# Altium PCB ControlBoard.PcbDoc (part 2 of 2)
Units mm, origin at the board's own origin, x right, y up, seen from the top; angles counter-clockwise.
Board outline 111.33 x 150.7 mm, 2 copper layers (Top Layer, Bottom Layer); 147 components, 78 nets, 422 pads, 115 vias.
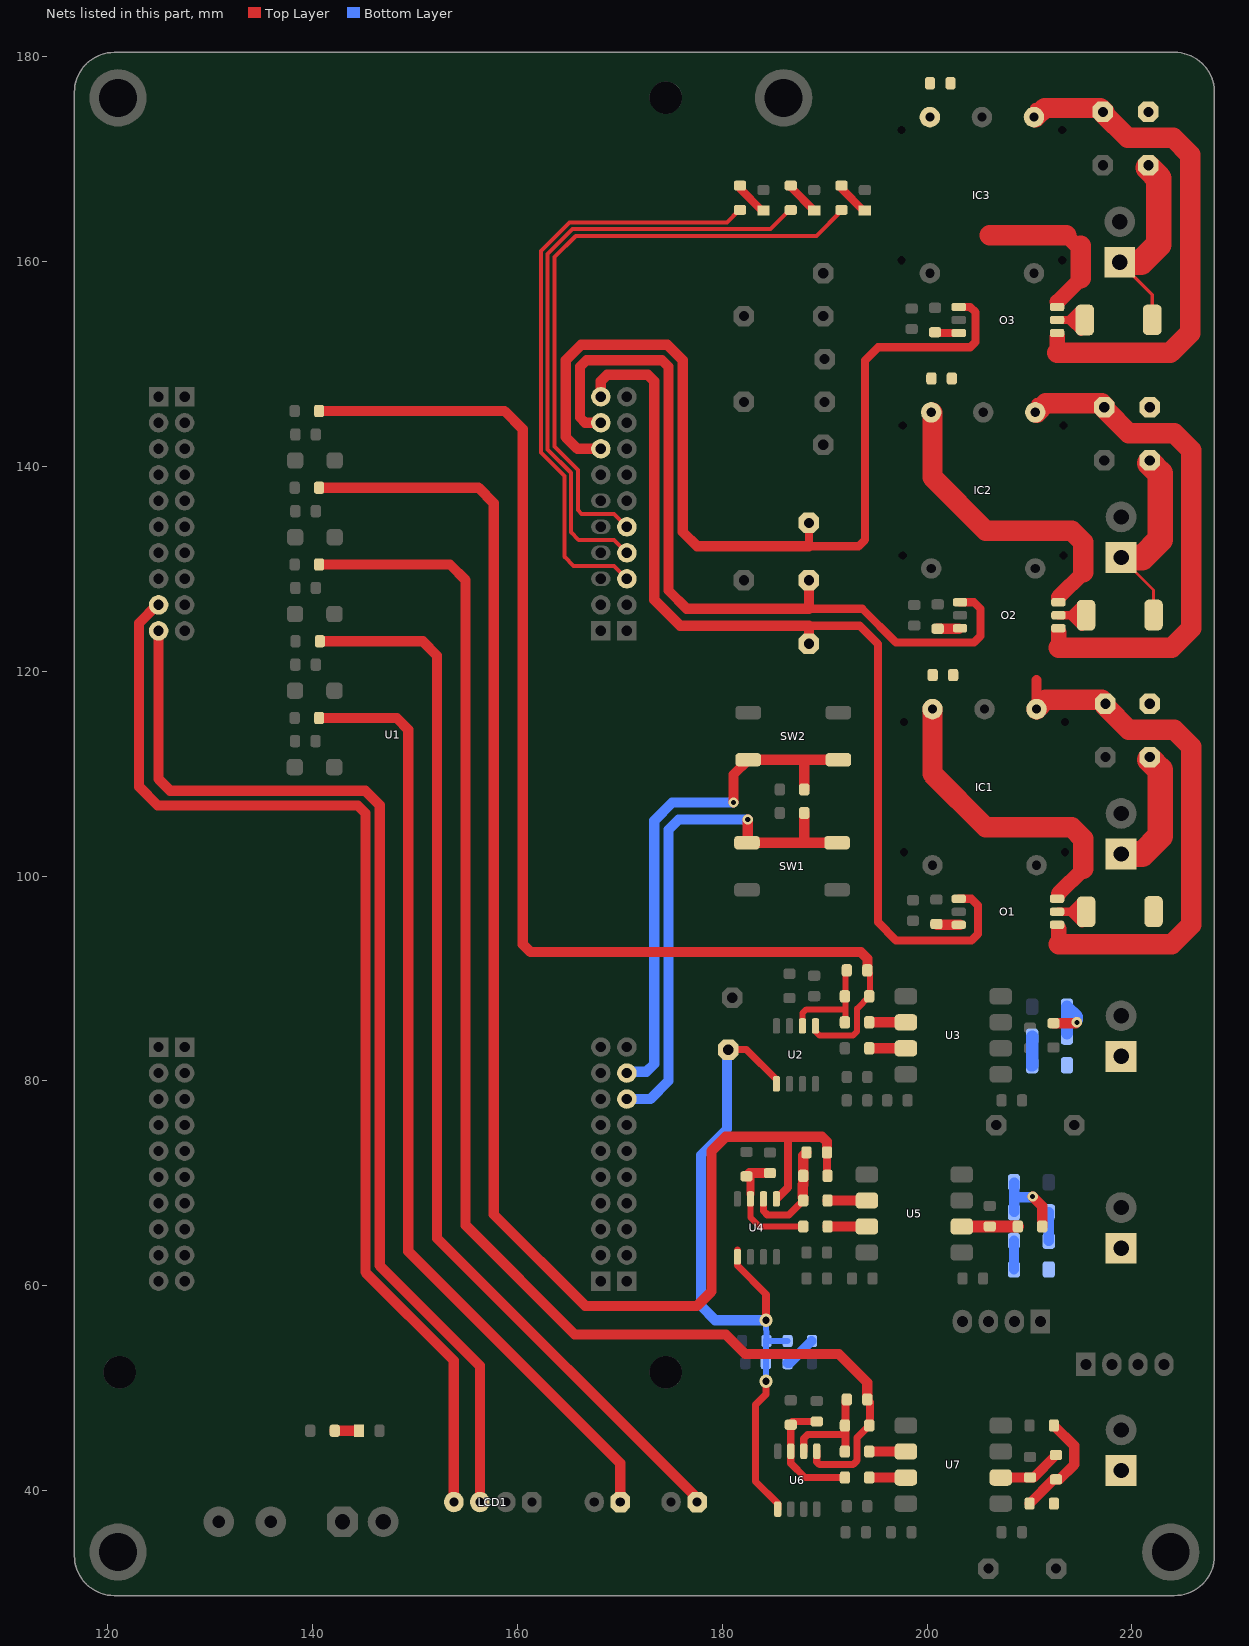
[diagram p2: the nets of this part, all layers, seen from the top]

## Via types
v1: diameter 1, hole 0.4, Top Layer to Bottom Layer, 81 vias
v2: diameter 1, hole 0.5, Top Layer to Bottom Layer, 29 vias
v3: diameter 1.3, hole 0.711, Top Layer to Bottom Layer, 2 vias
v4: diameter 1.27, hole 0.711, Top Layer to Bottom Layer, 1 vias
v5: diameter 1.8, hole 0.8, Top Layer to Bottom Layer, 1 vias
v6: diameter 1.27, hole 0.7, Top Layer to Bottom Layer, 1 vias

## Nets (pads, with @x,y where several pads share a name; then routed paths per layer and width w, separated by ;. In a path a pad name is that pad's centre, name@x,y a point inside that pad or via, vN(x,y) a via of type N, cw(c..) or ccw(c..) an arc to the next point about the centre after c; other vN are vias at no path point) (continued)
NetC12_1: C12.1 R5.2 R19.1 U2.1 | length 117.7
  Top Layer w0.6: U2.1@189.103,85.377 189.103,84.836 189.484,84.455 192.786,84.455 193.167,84.836 193.167,87.074 R19.1@194.358,88.265 ; C12.1@194.183,90.789 194.437,90.535 R19.1@194.437,88.265
  Top Layer w1: R5.2@140.716,145.415 158.75,145.415 160.528,143.637 160.528,93.345 161.29,92.583 193.548,92.583 194.183,91.948 C12.1@194.183,90.789
NetC12_2: C12.2 R18.2 R19.2 U2.2 | length 10.9
  Top Layer w0.6: U2.2@187.833,85.377 187.833,86.614 188.214,86.995 192.024,86.995 ; R18.2@192.024,85.598 192.024,86.995 ; C12.2@192.167,90.805 192.024,90.662 192.024,86.995
NetC18_1: C18.1 R20.1 R25.2 U4.3 | length 11.5
  Top Layer w0.6: U4.3@182.753,68.486 182.753,66.675 183.642,65.786 R25.2@187.912,65.786
  Top Layer w0.8: U4.3@182.753,68.961 R20.1@182.753,70.691
  Top Layer w1: R20.1@182.372,70.691 182.689,71.009 C18.1@184.658,71.009
NetC19_2: C19.2 R24.1 U5.2 | length 5.5
  Top Layer w1.2: U5.2@203.391,65.786 C19.2@206.121,65.786 ; C19.2@206.137,65.786 R24.1@208.867,65.786
  Top Layer w1.5: U5.2@203.327,65.786 U5.2@203.391,65.786
NetC22_1: C22.1 R11.2 R28.1 U4.1 | length 148
  Top Layer w0.8: U4.1@185.42,68.58 186.436,69.596 186.436,74.422 ; C22.1@190.23,73.025 190.246,73.009 R28.1@190.246,70.739
  Top Layer w1: R11.2@140.716,137.922 156.21,137.922 157.702,136.43 157.702,66.961 166.624,58.039 177.546,58.039 178.943,59.436 178.943,73.152 180.34,74.549 186.436,74.549 189.738,74.549 190.23,74.057 C22.1@190.23,73.025
NetC22_2: C22.2 R27.2 R28.2 U4.2 | length 10.7
  Top Layer w0.6: 187.912,69.85 187.96,69.85
  Top Layer w0.7: U4.2@184.023,68.486 184.023,67.31 184.404,66.929 186.515,66.929 R27.2@187.912,68.326
  Top Layer w1: R27.2@187.912,68.374 187.912,68.572 187.872,68.613 187.872,69.85 ; 187.912,69.85 187.872,69.85 ; C22.2@188.23,73.025 187.912,72.707 187.912,69.919 187.872,69.879 187.872,69.85
NetC28_1: C28.1 R32.1 R36.2 U6.3 | length 12.1
  Top Layer w0.7: R32.1@186.69,46.434 U6.3@186.69,43.848 186.69,42.672 188.087,41.275 R36.2@191.897,41.275 ; R32.1@186.69,46.609 186.833,46.752 C28.1@189.23,46.752
NetC30_2: C30.2 R34.1 U7.2 | length 6.6
  Top Layer w1: U7.2@207.137,41.021 207.407,41.291 C30.2@210.058,41.291 ; C30.2@209.931,41.275 210.391,41.275 R34.1@212.598,43.482
NetC31_1: C31.1 R1.2 R42.1 U6.1 | length 136.9
  Top Layer w0.7: U6.1@189.23,43.848 189.23,42.799 189.484,42.545 192.786,42.545 193.167,42.926 193.167,45.164 R42.1@194.358,46.355
  Top Layer w0.8: C31.1@194.167,48.895 194.437,48.625 R42.1@194.437,46.355
  Top Layer w1: R1.2@140.716,130.429 153.416,130.429 154.94,128.905 154.94,65.913 165.608,55.245 180.34,55.245 182.245,53.34 191.389,53.34 194.167,50.562 C31.1@194.167,48.895
NetC31_2: C31.2 R38.2 R42.2 U6.2 | length 10.5
  Top Layer w0.7: U6.2@187.96,43.848 187.96,45.085 188.341,45.466 191.77,45.466
  Top Layer w0.8: R38.2@192.024,43.688 192.024,45.466 192.024,46.355 192.024,48.752 C31.2@192.167,48.895
NetD3_1: D3.1 R3.2 | length 3.4
  Top Layer w0.8: R3.2@191.643,167.434 191.643,167.132 D3.1@193.802,164.973
NetD4_1: D4.1 R4.2 | length 3.4
  Top Layer w0.8: R4.2@186.69,167.434 186.69,167.275 D4.1@188.976,164.989
NetD7_1: D7.1 R7.2 | length 3.4
  Top Layer w0.8: R7.2@181.737,167.434 181.737,167.132 D7.1@183.896,164.973
NetD9_1: D9.1 R41.2 | length 2.4
  Top Layer w1: R41.2@142.161,45.847 D9.1@144.526,45.847
NetLCD1_3: LCD1.3 U1.J1_10 | length 109.2
  Top Layer w1: U1.J1_10@124.968,123.952 124.968,120.269 124.968,109.474 126.111,108.331 145.161,108.331 146.558,106.934 146.558,61.976 156.337,52.197 LCD1.3@156.337,38.887
NetLCD1_4: LCD1.4 U1.J1_9 | length 112.5
  Top Layer w1: U1.J1_9@124.841,126.492 123.063,124.714 123.063,120.142 123.063,108.712 124.873,106.902 144.431,106.902 145.161,106.172 145.161,61.341 153.797,52.705 LCD1.4@153.797,38.887
NetO1_1: O1.1 PWM1.1 U1.J4_10 | length 97.2
  Top Layer w0.8: 188.468,124.46 193.421,124.46 195.199,122.682 195.199,95.504 196.977,93.726 204.343,93.726 204.978,94.361 204.978,97.155 204.343,97.79 O1.1@203.099,97.79
  Top Layer w1: U1.J4_10@168.148,146.812 168.148,148.336 168.783,148.971 172.72,148.971 173.355,148.336 173.355,127 175.895,124.46 188.214,124.46 ; PWM1.1@188.468,122.174 188.468,124.46
NetO1_3: O1.3 R30.2 | length 2.3
  Top Layer w1: R30.2@200.914,95.329 200.993,95.25 O1.3@203.226,95.25
NetO1_5: O1.5 R29.1 | length 5.6
  Top Layer w0.8: O1.5@212.826,96.52 R29.1@215.534,96.52 ; 213.995,96.52 R29.1@215.011,97.536 ; 214.122,96.393 R29.1@215.138,95.377
NetO2_1: O2.1 PWM2.1 U1.J4_9 | length 78.8
  Top Layer w0.8: 188.214,126.111 188.468,126.111 193.675,126.111 196.977,122.809 204.597,122.809 205.232,123.444 205.232,126.111 204.597,126.746 O2.1@203.226,126.746
  Top Layer w1: U1.J4_9@168.148,144.272 166.624,144.272 166.116,144.78 166.116,149.733 166.751,150.368 174.117,150.368 174.752,149.733 174.752,127.889 176.53,126.111 188.214,126.111 ; 188.468,126.111 PWM2.1@188.468,128.905
NetO2_3: O2.3 R37.2 | length 2.1
  Top Layer w1: R37.2@201.041,124.158 O2.3@203.121,124.158
NetO2_5: O2.5 R35.1 | length 5.8
  Top Layer w0.8: O2.5@212.826,125.476 213.995,125.476 ; 214.122,125.349 R35.1@215.138,124.333 ; R35.1@215.265,126.492 215.011,126.492 213.995,125.476 ; R35.1@215.534,125.476 213.995,125.476
NetO3_1: O3.1 PWM3.1 U1.J4_8 | length 95.8
  Top Layer w0.8: PWM3.1@188.468,134.747 188.468,132.207 193.294,132.207 193.929,132.842 193.929,150.368 195.199,151.638 204.216,151.638 204.724,152.146 204.724,155.067 204.216,155.575 O3.1@203.099,155.575
  Top Layer w1: U1.J4_8@168.148,141.732 165.862,141.732 164.719,142.875 164.719,150.368 166.243,151.892 174.625,151.892 176.149,150.368 176.149,133.604 177.546,132.207 188.468,132.207
NetO3_3: O3.3 R44.2 | length 2.4
  Top Layer w0.8: R44.2@200.787,153.114 200.866,153.035 O3.3@203.099,153.035 O3.3@203.2,153.035
NetO3_5: O3.5 R43.1 | length 5.6
  Top Layer w0.8: O3.5@212.699,154.305 R43.1@215.407,154.305 ; 213.868,154.305 R43.1@214.884,155.321 ; 213.995,154.178 R43.1@215.011,153.162
NetP_IBAT_1: P_IBAT.1 R6.2 | length 93.2
  Top Layer w1: R6.2@140.637,115.443 148.209,115.443 149.352,114.3 149.352,63.373 170.053,42.672 P_IBAT.1@170.053,38.887
NetP_IL_1: P_IL.1 R2.2 | length 105.2
  Top Layer w1: R2.2@140.716,122.936 150.749,122.936 152.146,121.539 152.146,64.643 177.546,39.243 P_IL.1@177.546,38.887
NetP_VAC_1: P_VAC.1 R13.1
NetP_VBAT_1: P_VBAT.1 R33.1
NetP_VPFC_1: P_VPFC.1 R21.1
NetR3_1: R3.1 U1.J2_5 | length 61
  Top Layer w0.4: U1.J2_5@170.688,134.112 169.418,135.382 166.278,135.382 165.9,135.76 165.9,139.662 163.614,141.948 163.614,160.439 165.697,162.522 189.192,162.522 R3.1@191.643,164.973
NetR4_1: R4.1 U1.J2_4 | length 59.9
  Top Layer w0.4: U1.J2_4@170.688,131.572 169.418,132.842 165.989,132.842 165.246,133.585 165.246,139.391 162.96,141.677 162.96,160.765 165.371,163.176 184.714,163.176 186.59,165.052 R4.1@186.69,165.052
NetR7_1: R7.1 U1.J2_3 | length 58.7
  Top Layer w0.4: U1.J2_3@170.688,129.032 169.418,130.302 165.481,130.302 164.592,131.191 164.592,139.065 162.306,141.351 162.306,161.036 165.1,163.83 180.467,163.83 R7.1@181.61,164.973
NetR8_1: R8.1 R9.2 | length 3.2
  Bottom Layer w1: R8.1@186.388,52.451 186.563,52.451 R9.2@188.722,54.61
NetR13_2: R13.2 R14.1 | length 3
  Bottom Layer w1: R13.2@210.185,81.407 210.264,81.486 R13.2@210.264,81.534
  Bottom Layer w1.2: R13.2@210.264,81.534 R14.1@210.264,84.328
NetR14_2: R14.2 R15.2 R17.2 | length 6.6
  Top Layer w1: R15.2@212.344,85.646 214.551,85.646 v2(214.63,85.725)
  Bottom Layer w1.2: R14.2@213.662,84.661 R17.2@213.662,87.249 214.63,86.281 v2@214.63,85.979
NetR16_1: R16.1 U3.7 | length 3.5
  Top Layer w1: R16.1@194.358,83.185 U3.7@197.866,83.185
NetR18_1: R18.1 U3.6 | length 3.9
  Top Layer w1: R18.1@194.358,85.725 U3.6@197.929,85.725 198.12,85.725 U3.6@198.247,85.852
NetR21_2: R21.2 R22.1 | length 2.8
  Bottom Layer w1: R21.2@208.486,61.595 R22.1@208.486,64.389
NetR22_2: R22.2 R23.1 | length 2.8
  Bottom Layer w1: R22.2@211.884,64.389 R23.1@211.884,67.183
NetR23_2: R23.2 R24.2 R26.2 | length 7.9
  Top Layer w1: v2(210.312,68.707) 211.249,67.77 R24.2@211.249,65.786
  Bottom Layer w1: R23.2@208.52,67.216 208.52,68.644 ; R26.2@208.52,70.071 208.52,68.644 ; v2@210.248,68.644 208.52,68.644
NetR25_1: R25.1 U5.7 | length 3.9
  Top Layer w1: R25.1@190.294,65.786 U5.7@194.119,65.786 U5.7@194.183,65.786
NetR27_1: R27.1 U5.6 | length 4
  Top Layer w1: R27.1@190.294,68.326 U5.6@194.119,68.326 U5.6@194.31,68.326
NetR29_2: R29.2 SW1.1@221.742,111.633 SWH1.1 | length 12.4
  Top Layer w2.5: SWH1.1@218.948,102.16 221.032,102.16 222.758,103.886 222.758,110.363 SW1.1@221.742,111.379
NetR33_2: R33.2 R34.2 R39.2 | length 10.6
  Top Layer w1: R33.2@210.01,38.735 212.376,41.1 R34.2@212.598,41.1 212.931,41.1 214.376,42.545 214.376,44.371 R39.2@212.392,46.355
NetR35_2: R35.2 SW2.1@221.742,140.589 SWH2.1 | length 19.4
  Top Layer w0.3: SWH2.1@218.948,131.116 222.119,127.945 R35.2@222.119,125.498
  Top Layer w2.5: SWH2.1@218.948,131.116 221.032,131.116 222.758,132.842 222.758,139.319 SW2.1@221.742,140.335
NetR36_1: R36.1 U7.7 | length 3.6
  Top Layer w1: R36.1@194.358,41.275 U7.7@197.929,41.275 U7.7@197.993,41.275
NetR38_1: R38.1 U7.6 | length 3.6
  Top Layer w1: R38.1@194.358,43.815 U7.6@197.929,43.815 U7.6@197.993,43.815
NetR43_2: R43.2 SW3.1 SWH3.1 | length 19.4
  Top Layer w0.3: SWH3.1@218.821,159.945 221.992,156.774 R43.2@221.992,154.327
  Top Layer w2.5: SWH3.1@218.821,159.945 220.905,159.945 222.631,161.671 222.631,168.148 SW3.1@221.615,169.164
NetRB1_2: RB1.2 SW1.1@182.417,103.265 SW1.3 U1.J6_8 | length 51.5
  Top Layer w1: SW1.1@182.417,103.265 188.073,103.265 ; SW1.1@182.499,103.31 v2(182.499,105.537) ; RB1.2@188.008,106.172 188.008,103.33 188.073,103.265 ; 188.087,103.251 188.073,103.265 ; SW1.3@191.262,103.251 191.248,103.265 SW1.3@191.217,103.265 188.073,103.265
  Bottom Layer w1: U1.J6_8@170.688,78.232 172.974,78.232 174.752,80.01 174.752,104.521 175.768,105.537 v2(182.499,105.537)
NetRB2_2: RB2.2 SW2.1@191.344,111.365 SW2.3 U1.J6_9 | length 51.6
  Top Layer w1: v2(181.102,107.188) 181.102,109.923 SW2.3@182.544,111.365 187.974,111.365 ; 187.96,111.379 187.974,111.365 ; RB2.2@188.008,108.458 188.008,111.331 187.974,111.365 ; SW2.1@191.344,111.365 187.974,111.365
  Bottom Layer w1: U1.J6_9@170.815,80.899 172.593,80.899 173.355,81.661 173.355,105.41 175.133,107.188 v2(181.102,107.188)
VDD1: C21.2 IC1.5 O1.6 VDD1.1 | length 30
  Top Layer w1.5: 212.852,98.298 215.265,100.711
  Top Layer w2: IC1.5@200.534,116.311 200.534,109.981 205.74,104.775 214.122,104.775 215.265,103.632 215.265,100.711
VDD2: C29.2 IC2.5 O2.6 VDD2.1 | length 30
  Top Layer w1.5: 212.852,127.254 215.265,129.667
  Top Layer w2: IC2.5@200.534,145.267 200.534,138.937 205.74,133.731 214.122,133.731 215.265,132.588 215.265,129.667
VDD3: C32.2 IC3.5 O3.6 VDD3.1 | length 16.1
  Top Layer w1.5: 212.725,156.083 215.011,158.369 ; 213.614,162.56 215.138,161.036
  Top Layer w2: 206.121,162.56 213.614,162.56 ; 215.011,158.369 215.011,161.539
Vref: C5.2 R9.1 R10.2 U2.5 U4.5 U6.5 Vref.1 | length 69.8
  Top Layer w0.7: Vref.1@180.213,83.058 Vref.1@180.594,83.058 182.372,83.058 185.293,80.137 U2.5@185.293,79.723 ; U4.5@181.483,63.5 U4.5@181.483,62.832 181.483,61.976 184.325,59.135 184.277,59.087 ; v3(184.277,50.673) 184.277,49.403 183.261,48.387 183.261,40.894 185.42,38.735 U6.5@185.42,38.194 ; v3@184.277,56.388 v3(184.277,56.642)
  Top Layer w0.8: v3(184.277,56.642) 184.277,59.087
  Bottom Layer w0.6: v3(184.277,50.673) R10.2@184.277,54.737 ; v3(184.277,56.642) R10.2@184.325,54.61 ; R10.2@184.531,54.61 R9.1@186.388,54.61
  Bottom Layer w1: Vref.1@180.467,83.058 180.467,75.311 177.927,72.771 177.927,58.039 179.324,56.642 v3(184.277,56.642)
VSS1: C21.1 IC1.3 O1.4 VSS1.1 | length 53
  Top Layer w1: 210.677,119.126 210.677,117.221 210.677,116.328 IC1.3@210.694,116.311
  Top Layer w1.5: 212.852,93.345 O1.4@212.852,94.869
  Top Layer w2: IC1.3@210.694,116.311 211.604,117.221 217.043,117.221 VSS1.1@217.424,116.84 217.424,116.586 219.71,114.3 224.155,114.3 225.806,112.649 225.806,95.25 223.901,93.345 212.852,93.345
VSS2: C29.1 IC2.3 O2.4 VSS2.1 | length 51.1
  Top Layer w1: IC2.3@210.677,146.177 210.677,145.284 IC2.3@210.694,145.267
  Top Layer w1.5: 212.852,122.301 O2.4@212.852,123.825
  Top Layer w2: IC2.3@210.694,145.267 211.604,146.177 217.043,146.177 217.424,145.796 217.424,145.542 219.71,143.256 224.155,143.256 225.806,141.605 225.806,124.206 223.901,122.301 212.852,122.301
VSS3: C32.1 IC3.3 O3.4 VSS3.1 | length 51.1
  Top Layer w1: IC3.3@210.55,175.006 210.55,174.113 IC3.3@210.567,174.096
  Top Layer w1.5: 212.725,151.13 O3.4@212.725,152.654
  Top Layer w2: IC3.3@210.567,174.096 211.477,175.006 216.916,175.006 217.297,174.625 217.297,174.371 219.583,172.085 224.028,172.085 225.679,170.434 225.679,153.035 223.774,151.13 212.725,151.13
pads on no net: IC1. IC2. IC3. LO1.1 LO2.1 LO3.1 LO4.1 O1.2 O2.2 O3.2 U1. U1.J1_2 U1.J1_3 U1.J1_4 U1.J1_5 U1.J1_6 U1.J1_7 U1.J1_8 U1.J2_1 U1.J2_2 U1.J2_6 U1.J2_7 U1.J2_8 U1.J2_9 U1.J3_8 U1.J3_9 U1.J3_10 U1.J4_1 U1.J4_2 U1.J4_3 U1.J4_4 U1.J4_5 U1.J4_6 U1.J4_7 U1.J5_1 U1.J5_2 U1.J5_3 U1.J5_4 U1.J5_5 U1.J5_6 U1.J5_7 U1.J5_8 U1.J5_9 U1.J5_10 U1.J6_1 U1.J6_2 U1.J6_3 U1.J6_4 U1.J6_5 U1.J6_6 U1.J6_7 U1.J7_3 U1.J7_4 U1.J7_5 U1.J7_6 U1.J7_7 U1.J7_8 U1.J7_9 U1.J7_10 U1.J8_1 U1.J8_2 U1.J8_3 U1.J8_4 U1.J8_5 U1.J8_6 U1.J8_7 U1.J8_8 U1.J8_9 U1.J8_10

## Polygon pours and split planes (outlines as drawn)
GND on Top Layer "gnda" (solid, pour order 57): 136.906,146.05 136.906,144.018 136.144,143.256 127,143.256 126.492,143.764 126.492,144.78 127,145.288 129.032,145.288 130.175,146.431 130.175,150.876 127.889,153.162 123.444,153.162 120.142,156.464 120.142,168.529 122.809,171.196 179.07,171.196 180.086,170.18 180.086,164.719 179.705,164.338 164.719,164.338 161.671,161.29 161.671,147.828 160.655,146.812 137.668,146.812
GND on Top Layer "gnda" (solid, pour order 59): 145.415,33.909 145.923,33.401 152.527,33.401 153.162,34.036 153.162,36.703 151.892,37.973 151.892,53.086 144.145,60.833 144.145,78.613 144.145,105.41 143.637,105.918 123.317,105.918 122.428,105.029 122.428,91.313 123.952,89.789 127.254,89.789 130.175,86.868 130.175,53.467 136.144,47.498 145.288,47.498 145.923,46.863 145.923,38.354 145.415,37.846
GND on Top Layer "gnda" (solid, pour order 58): 164.211,152.908 164.211,160.274 165.862,161.925 187.96,161.925 187.96,137.16 186.309,135.509 178.435,135.509 177.292,136.652 177.292,150.876 175.26,152.908
GND on Top Layer "gnda" (solid, pour order 56): 184.404,114.046 184.404,116.078 184.658,116.332 189.484,116.332 189.484,113.03 189.103,112.649 185.801,112.649
GND on Top Layer "gnda" (solid, pour order 55): 189.992,109.855 193.167,109.855 193.421,109.601 193.421,104.775 190.119,104.775 189.738,105.156 189.738,109.601
GND on Top Layer "gnda" (solid, pour order 47): 140.081,143.891 157.988,143.891 158.877,143.002 158.877,139.319 140.081,139.319 139.827,139.573 139.827,143.637
GND on Top Layer "gnda" (solid, pour order 51): 139.954,113.919 147.193,113.919 147.701,113.411 147.701,109.347 139.954,109.347 139.7,109.601 139.7,113.665
GND on Top Layer "gnda" (solid, pour order 50): 140.081,121.412 149.606,121.412 150.622,120.396 150.622,116.84 140.081,116.84 139.827,117.094 139.827,121.158
GND on Top Layer "gnda" (solid, pour order 49): 140.081,128.905 152.4,128.905 153.162,128.143 153.162,124.333 140.081,124.333 139.827,124.587 139.827,128.651
GND on Top Layer "gnda" (solid, pour order 48): 140.081,136.398 155.448,136.398 156.083,135.763 156.083,131.826 140.081,131.826 139.827,132.08 139.827,136.144
GND on Top Layer "gnda" (solid, pour order 46): 193.675,81.026 194.564,81.026 195.707,81.026 195.961,80.772 195.961,79.629 196.723,78.867 196.723,75.565 196.469,75.311 192.659,75.311 192.405,75.565 192.405,76.454 193.421,77.47 193.421,80.772
GND on Top Layer "gnda" (solid, pour order 45): 195.58,91.44 198.755,91.44 199.009,91.186 199.009,87.63 198.755,87.376 195.58,87.376 195.326,87.63 195.326,91.186
GND on Top Layer "gnda" (solid, pour order 43): 189.865,63.754 191.008,63.754 193.167,61.595 193.167,57.531 192.913,57.277 188.849,57.277 188.595,57.531 188.595,58.928 189.611,59.944 189.611,63.5
GND on Top Layer "gnda" (solid, pour order 42): 191.77,74.041 194.945,74.041 195.199,73.787 195.199,70.231 194.945,69.977 191.77,69.977 191.516,70.231 191.516,73.787
GND on Top Layer "gnda" (solid, pour order 41): 195.834,49.53 198.755,49.53 199.009,49.276 199.009,45.72 198.755,45.466 195.834,45.466 195.58,45.72 195.58,49.276
GND on Top Layer "gnda" (solid, pour order 40): 193.675,39.116 194.564,39.116 196.469,37.211 196.723,37.211 196.977,36.957 196.977,33.655 196.723,33.401 192.659,33.401 192.405,33.655 192.405,34.544 193.421,35.56 193.421,38.862
GNDA on Top Layer "gnda" (solid, pour order 21): 224.155,90.805 206.629,90.805 205.613,89.789 205.613,87.249 205.613,85.598 206.502,84.709 210.566,84.709 210.82,84.963 210.82,86.487 211.582,87.249 215.773,87.249 216.408,86.614 216.408,85.217 216.789,84.836 221.361,84.836 222.25,83.947 222.25,80.264 221.361,79.375 209.55,79.375 208.788,78.613 208.788,74.422 207.899,73.533 201.93,73.533 201.549,73.152 201.549,67.691 201.93,67.31 208.534,67.31 208.915,67.691 208.915,69.469 209.423,69.977 211.328,69.977 212.471,68.834 212.471,66.167 212.471,64.77 211.709,64.008 205.994,64.008 204.978,62.992 204.978,58.928 204.98,55.624 205.344,55.258 206.634,55.252 207.001,55.614 207.016,58.174 207.775,58.928 215.011,58.928 216.281,60.198 216.281,65.532 216.916,66.167 223.901,66.167 225.425,67.691 225.425,89.535
GNDB on Top Layer "gnda" (solid, pour order 35): 221.742,53.34 221.488,53.594 219.71,53.594 219.456,53.34 219.456,50.546 218.44,49.53 205.867,49.53 205.232,48.895 205.232,43.436 205.859,42.805 207.055,42.799 210.566,42.799 210.947,43.18 210.947,46.99 211.455,47.498 213.36,47.498 215.773,45.085 216.408,44.45 220.98,44.45 221.742,43.688 221.742,40.005 220.98,39.243 216.535,39.243 214.122,36.83 209.169,36.83 208.788,36.449 208.788,31.496 208.788,31.242 209.55,30.48 219.202,30.48 220.091,31.369 220.091,35.433 224.917,40.259 224.917,44.45 224.917,48.895 224.282,49.53 222.758,49.53 221.742,50.546
NetP_VBAT_1 on Top Layer "gnda" (solid, pour order 36): 216.408,43.434 220.472,43.434 220.472,40.386 220.091,40.005 215.773,40.005 213.741,37.973 211.963,37.973 211.836,38.1 211.836,39.243 211.963,39.37 213.106,39.37 216.027,42.291 216.027,43.053
VSS3 on Top Layer "VSS1" (solid, pour order 28): 208.915,172.593 209.55,171.958 218.44,171.958 219.202,172.72 219.202,177.292 218.44,178.054 201.803,178.054 201.803,176.149 202.057,175.895 208.407,175.895 208.915,175.387
VDD3 on Top Layer "vdd3" (solid, pour order 27): 198.12,177.419 198.12,163.322 200.025,161.417 215.773,161.417 216.027,161.671 216.027,162.306 214.757,163.576 205.994,163.576 202.184,167.386 202.184,174.879 201.803,175.26 201.168,175.26 200.787,175.641 200.787,178.054 199.39,178.054 198.755,178.054
VDD2 on Top Layer "VSS1" (solid, pour order 26): 198.247,148.59 198.247,134.493 200.152,132.588 215.9,132.588 216.154,132.842 216.154,133.477 214.884,134.747 206.121,134.747 202.311,138.557 202.311,146.05 201.93,146.431 201.295,146.431 200.914,146.812 200.914,149.225 199.517,149.225 198.882,149.225
VSS2 on Top Layer "VSS1" (solid, pour order 25): 209.042,143.764 209.677,143.129 218.567,143.129 219.329,143.891 219.329,148.463 218.567,149.225 201.93,149.225 201.93,147.32 202.184,147.066 208.534,147.066 209.042,146.558
COM1 on Top Layer "VSS1" (solid, pour order 24): 203.835,117.602 207.899,117.602 208.407,117.094 208.407,114.427 209.296,113.538 217.678,113.538 219.329,111.887 219.329,109.982 220.472,108.839 220.472,105.537 219.583,104.648 218.186,104.648 216.154,106.68 206.883,106.68 203.327,110.236 203.327,117.094
VDD1 on Top Layer "VSS1" (solid, pour order 2): 198.374,119.634 198.374,105.537 200.279,103.632 216.027,103.632 216.281,103.886 216.281,104.521 215.011,105.791 206.248,105.791 202.438,109.601 202.438,117.094 202.057,117.475 201.422,117.475 201.041,117.856 201.041,120.269 199.644,120.269 199.009,120.269
VSS1 on Top Layer "VSS1" (solid, pour order 0): 209.169,114.808 209.804,114.173 218.694,114.173 219.456,114.935 219.456,119.507 218.694,120.269 202.057,120.269 202.057,118.364 202.311,118.11 208.661,118.11 209.169,117.602
NetR29_2 on Top Layer "VSS1" (solid, pour order 4): 217.297,103.759 220.345,103.759 221.488,104.902 221.488,109.982 224.028,109.982 224.028,103.759 224.028,95.885 223.012,94.869 218.44,94.869 217.297,96.012
COM2 on Top Layer "VSS1" (solid, pour order 8): 203.708,146.558 207.772,146.558 208.28,146.05 208.28,143.383 209.169,142.494 217.551,142.494 219.202,140.843 219.202,138.938 220.345,137.795 220.345,134.493 219.456,133.604 218.059,133.604 216.027,135.636 206.756,135.636 203.2,139.192 203.2,146.05
NetR35_2 on Top Layer "VSS1" (solid, pour order 9): 217.297,132.715 220.345,132.715 221.488,133.858 221.488,138.938 224.028,138.938 224.028,132.715 224.028,124.841 223.012,123.825 218.44,123.825 217.297,124.968
VDD3 on Top Layer "VSS1" (solid, pour order 12): 198.12,175.387 198.12,163.322 200.025,161.417 215.773,161.417 216.027,161.671 216.027,162.306 214.757,163.576 205.994,163.576 202.184,167.386 202.184,175.387
COM3 on Top Layer "VSS1" (solid, pour order 13): 203.581,175.387 207.645,175.387 208.153,174.879 208.153,172.212 209.042,171.323 217.424,171.323 219.075,169.672 219.075,167.767 220.218,166.624 220.218,163.322 219.329,162.433 217.932,162.433 215.9,164.465 206.629,164.465 203.073,168.021 203.073,174.879
NetR43_2 on Top Layer "VSS1" (solid, pour order 15): 217.17,161.544 220.218,161.544 221.361,162.687 221.361,167.767 223.901,167.767 223.901,161.544 223.901,153.67 222.885,152.654 218.313,152.654 217.17,153.797
GND on Bottom Layer "gnda" (solid, pour order 53): 124.968,171.323 183.388,171.323 194.945,171.323 196.85,169.418 196.85,162.052 195.326,160.528 186.309,160.528 183.388,157.607 183.388,117.348 179.324,113.284 124.841,113.284 120.142,117.983 120.142,166.497
GND on Bottom Layer "gnda" (solid, pour order 54): 195.326,160.782 191.77,160.782 191.77,121.285 189.992,119.507 183.388,119.507 177.165,113.284 185.42,113.284 185.42,105.918 183.642,104.14 177.8,104.14 176.53,102.87 176.784,102.616 176.784,93.726 193.929,93.726 195.326,95.123
GND on Bottom Layer "gnda" (solid, pour order 22): 194.183,73.914 180.34,73.914 178.943,72.517 178.943,58.928 179.959,57.912 185.674,57.912 186.436,57.15 198.755,57.15 199.263,57.658 199.263,60.198 198.628,60.833 195.961,60.833 195.199,61.595 195.199,72.898
GND on Bottom Layer "gnda" (solid, pour order 52): 124.968,107.823 169.799,107.823 172.466,105.156 172.466,45.72 178.562,39.624 178.562,33.528 126.365,33.528 120.142,39.751 120.142,102.997
GND on Bottom Layer "gnda" (solid, pour order 44): 198.247,91.44 180.721,91.44 179.959,90.678 179.959,86.995 180.848,86.106 182.626,86.106 183.515,85.217 183.515,76.454 184.531,75.438 198.12,75.438 199.009,76.327 199.009,78.994 199.009,90.678
GND on Bottom Layer "gnda" (solid, pour order 39): 198.247,49.53 183.769,49.53 182.88,48.641 182.88,33.401 197.993,33.401 199.009,34.417 199.009,37.084 199.009,48.768
GND on Bottom Layer "gnda" (solid, pour order 38): 210.185,57.658 215.9,57.658 216.408,57.15 216.408,51.181 216.027,50.8 198.374,50.8 198.374,54.61 210.185,54.61
GNDA on Bottom Layer "VSS1" (solid, pour order 20): 223.52,67.437 223.52,89.408 222.123,90.805 208.915,90.805 208.407,90.297 208.407,86.741 208.788,86.36 210.947,86.36 211.328,86.741 211.328,88.392 211.836,88.9 214.503,88.9 216.281,87.122 216.281,85.344 216.789,84.836 221.234,84.836 221.615,84.455 221.615,78.74 220.98,78.105 213.487,78.105 212.979,77.597 212.979,73.278 212.345,72.644 205.994,72.644 204.978,71.628 204.978,66.167 204.978,55.626 205.359,55.245 206.629,55.245 207.01,55.626 207.01,66.167 207.01,70.867 207.519,71.374 209.296,71.374 209.804,70.866 209.804,70.104 210.058,69.85 210.947,69.85 211.328,69.469 211.327,68.962 211.709,68.579 213.108,68.578 213.487,68.199 213.484,66.551 213.868,66.167 218.551,66.167 222.25,66.167
NetP_VAC_1 on Bottom Layer "VSS1" (solid, pour order 34): 220.472,83.947 220.472,79.883 219.964,79.375 213.36,79.375 212.979,79.756 212.979,82.169 213.36,82.55 214.503,82.55 214.757,82.804 214.757,83.566 215.138,83.947 217.424,83.947
VDD3 on Bottom Layer "gnda" (solid, pour order 32): 201.803,172.593 198.882,172.593 198.374,173.101 198.374,177.419 199.009,178.054 223.012,178.054 223.647,177.419 223.647,172.974 223.012,172.339 219.456,172.339 218.821,172.974 218.821,175.514 218.313,176.022 202.946,176.022 202.311,175.387 202.311,173.101
VDD2 on Bottom Layer "gnda" (solid, pour order 31): 201.93,143.764 199.009,143.764 198.501,144.272 198.501,148.59 199.136,149.225 223.139,149.225 223.774,148.59 223.774,144.145 223.139,143.51 219.583,143.51 218.948,144.145 218.948,146.685 218.44,147.193 203.073,147.193 202.438,146.558 202.438,144.272
COM3 on Bottom Layer "VSS1" (solid, pour order 30): 203.581,175.387 207.645,175.387 208.153,174.879 208.153,172.212 209.042,171.323 217.424,171.323 219.075,169.672 219.075,167.767 220.218,166.624 220.218,163.322 219.329,162.433 217.932,162.433 215.9,164.465 206.629,164.465 203.073,168.021 203.073,174.879
COM2 on Bottom Layer "VSS1" (solid, pour order 29): 203.708,146.558 207.772,146.558 208.28,146.05 208.28,143.383 209.169,142.494 217.551,142.494 219.202,140.843 219.202,138.938 220.345,137.795 220.345,134.493 219.456,133.604 218.059,133.604 216.027,135.636 206.756,135.636 203.2,139.192 203.2,146.05
COM1 on Bottom Layer "VSS1" (solid, pour order 3): 203.835,117.602 207.899,117.602 208.407,117.094 208.407,114.427 209.296,113.538 217.678,113.538 219.329,111.887 219.329,109.982 220.472,108.839 220.472,105.537 219.583,104.648 218.186,104.648 216.154,106.68 206.883,106.68 203.327,110.236 203.327,117.094
VDD1 on Bottom Layer "gnda" (solid, pour order 23): 201.93,114.808 199.009,114.808 198.501,115.316 198.501,119.634 199.136,120.269 223.139,120.269 223.774,119.634 223.774,115.189 223.139,114.554 219.583,114.554 218.948,115.189 218.948,117.729 218.44,118.237 203.073,118.237 202.438,117.602 202.438,115.316
NetP_VPFC_1 on Bottom Layer "VSS1" (solid, pour order 19): 220.472,65.151 220.472,61.087 219.964,60.579 211.455,60.579 211.201,60.833 211.201,62.357 211.455,62.611 212.725,62.611 213.487,63.373 213.487,64.643 213.995,65.151 217.424,65.151

## Keep-outs
Keep-Out Layer:
  lines w0.2: 227.965,176.53 ccw(c224.155,176.53) 224.155,180.34 120.65,180.34 ccw(c120.65,176.53) 116.84,176.53 116.84,33.655 ccw(c120.65,33.655) 120.65,29.845 224.155,29.845 ccw(c224.155,33.655) 227.965,33.655 227.965,176.657

## Silkscreen, mask and mechanical layers (free items; w line width, h text height)
Top Overlay:
  text "-" at 226.206,163.291 h1.5 r90
  text "+" at 226.214,159.354 h1.5 r90
  text "-" at 226.333,134.462 h1.5 r90
  text "+" at 226.341,130.525 h1.5 r90
  text "-" at 226.333,105.506 h1.5 r90
  text "+" at 226.341,101.569 h1.5 r90
  text "-" at 226.333,85.821 h1.5 r90
  text "+" at 226.341,81.884 h1.5 r90
  text "-" at 226.333,67.025 h1.5 r90
  text "+" at 226.341,63.088 h1.5 r90
  text "-" at 226.333,45.308 h1.5 r90
  text "+" at 135.501,43.934 h3
  text "-" at 130.294,43.665 h3
  text "+" at 226.341,41.371 h1.5 r90
  text "-" at 167.594,34.717 h1.2 r180
  text "-" at 175.087,34.717 h1.2 r180
  text "+" at 170.515,34.698 h1.2 r180
  text "+" at 178.008,34.698 h1.2 r180
  text "SCL" at 152.6,33.728 h0.8
  text "SDA" at 155.521,33.728 h0.8
  text "+" at 158.542,33.628 h1.2
  text "-" at 160.574,33.482 h1.2
  text "+" at 143.872,31.858 h1.5 r180
  text "-" at 147.174,31.612 h1.5 r180
  text "-" at 130.221,30.479 h1
  text "5V" at 134.92,30.399 h1
Bottom Overlay:
  drawing of 3 lines, arcs and shapes, not listed
  text "ctrinh01028485@gmail.com" at 152.489,171.023 h1.5 r90
  text "19502231" at 146.412,170.923 h1.5 r90
  text "Trinh Cong" at 149.468,170.923 h1.5 r90
  text "ControlBoard" at 139.589,170.45 h4 r90
  text "X5.14" at 192.502,163.86 h5
  text "IUH, 2019 - 2023" at 160,145.923 h1.6 r90
  text "INDUSTRIAL UNIVERSITY OF HOCHIMINH CITY / POWER ELECTRONICS APPLICATIONS LAB" at 152.654,102.489 h1.5 r90
  text "IUHPEAL" at 142.391,100.608 h6 r90
  text "Dr. Tan-Tai Tran" at 160,70.612 h1.6 r90

## Text inside footprints (layer, text, board x,y; h text height)
IC1: Top Overlay "SPS1R5" at 206.81,105.356 h1 r90
IC2: Top Overlay "SPS1R5" at 206.682,134.333 h1 r90
IC3: Top Overlay "SPS1R5" at 206.555,163.162 h1 r90
U1: Top Overlay "J5" at 124.333,87.757 h1.27 r270; Top Overlay "J7" at 126.873,87.757 h1.27 r270; Top Overlay "J8" at 167.513,87.757 h1.27 r270; Top Overlay "J6" at 170.053,87.757 h1.27 r270; Top Overlay "J4" at 167.513,151.892 h1.27 r270; Top Overlay "J2" at 170.053,151.892 h1.27 r270; Top Overlay "J3" at 126.873,151.892 h1.27 r270; Top Overlay "J1" at 124.333,151.892 h1.27 r270